# Altium PCB PCB_OBDH.PcbDoc (part 1 of 3)
Units mil, origin at the board's own origin, x right, y up, seen from the top; angles counter-clockwise.
Board outline 3627.19 x 3509.21 mil, 2 copper layers (Top Layer, Bottom Layer), stack 65.792 mil thick; 195 components, 145 nets, 736 pads, 309 vias.
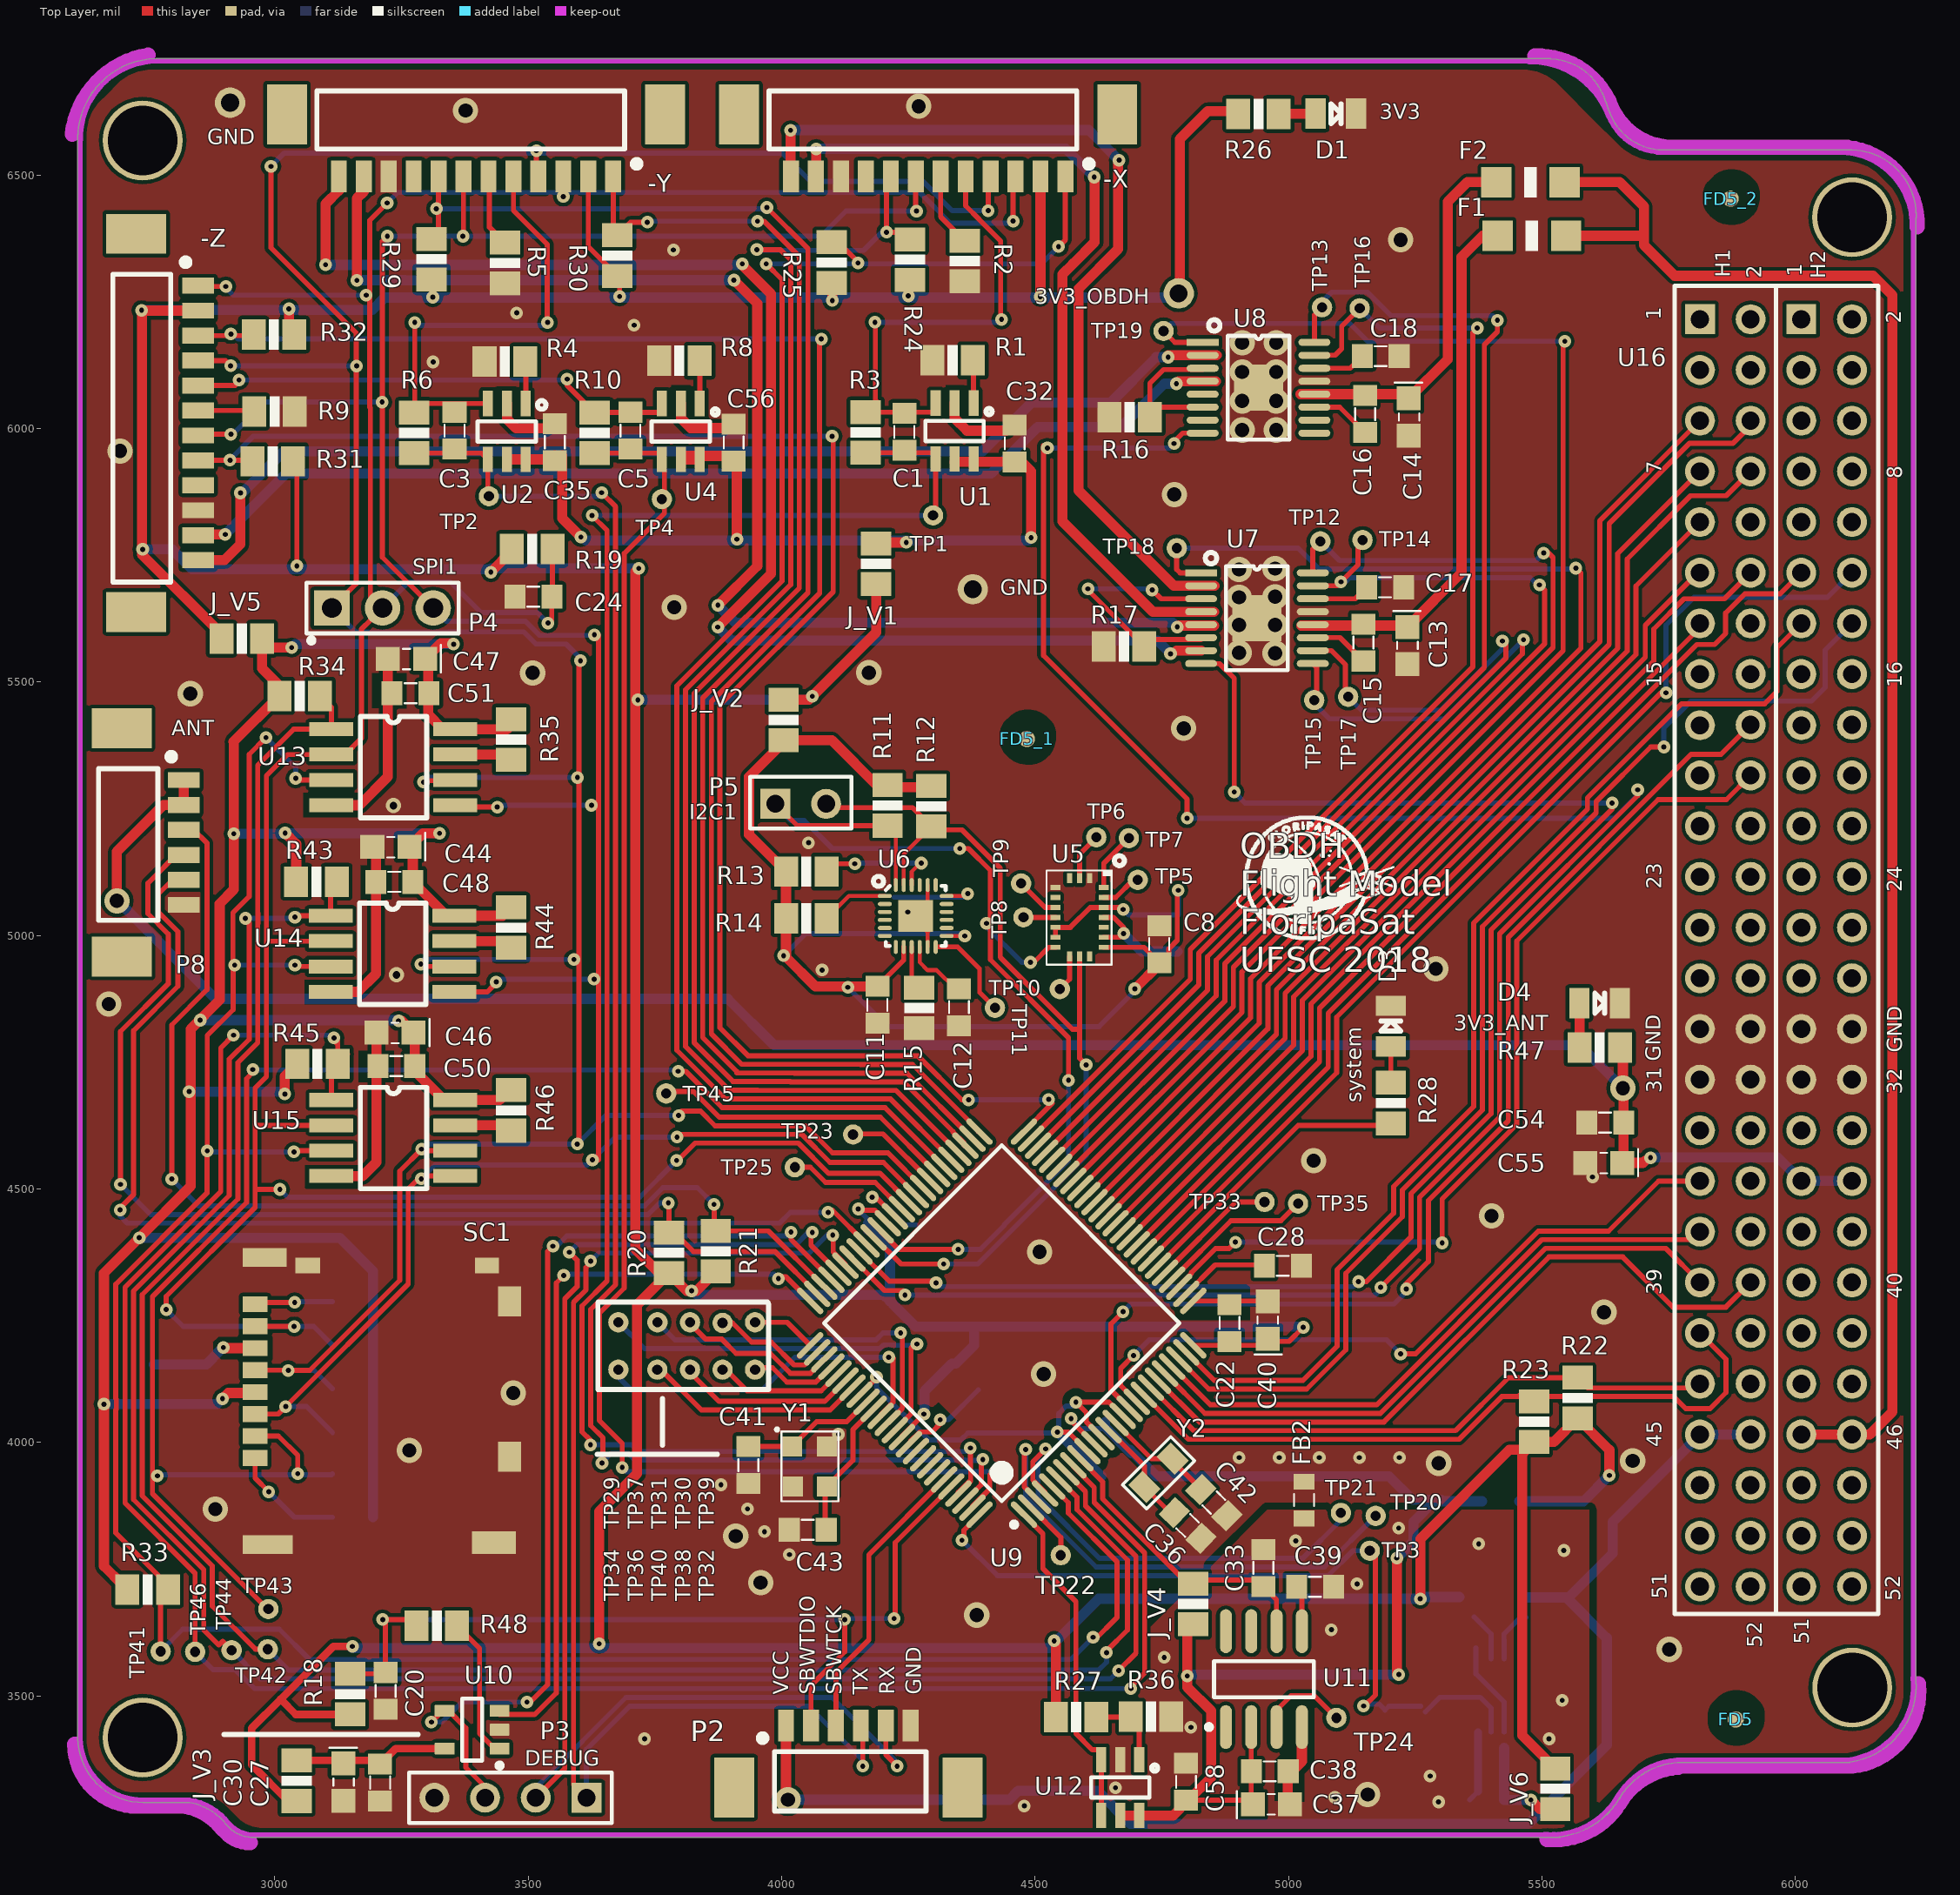
[diagram p0: Top Layer view]
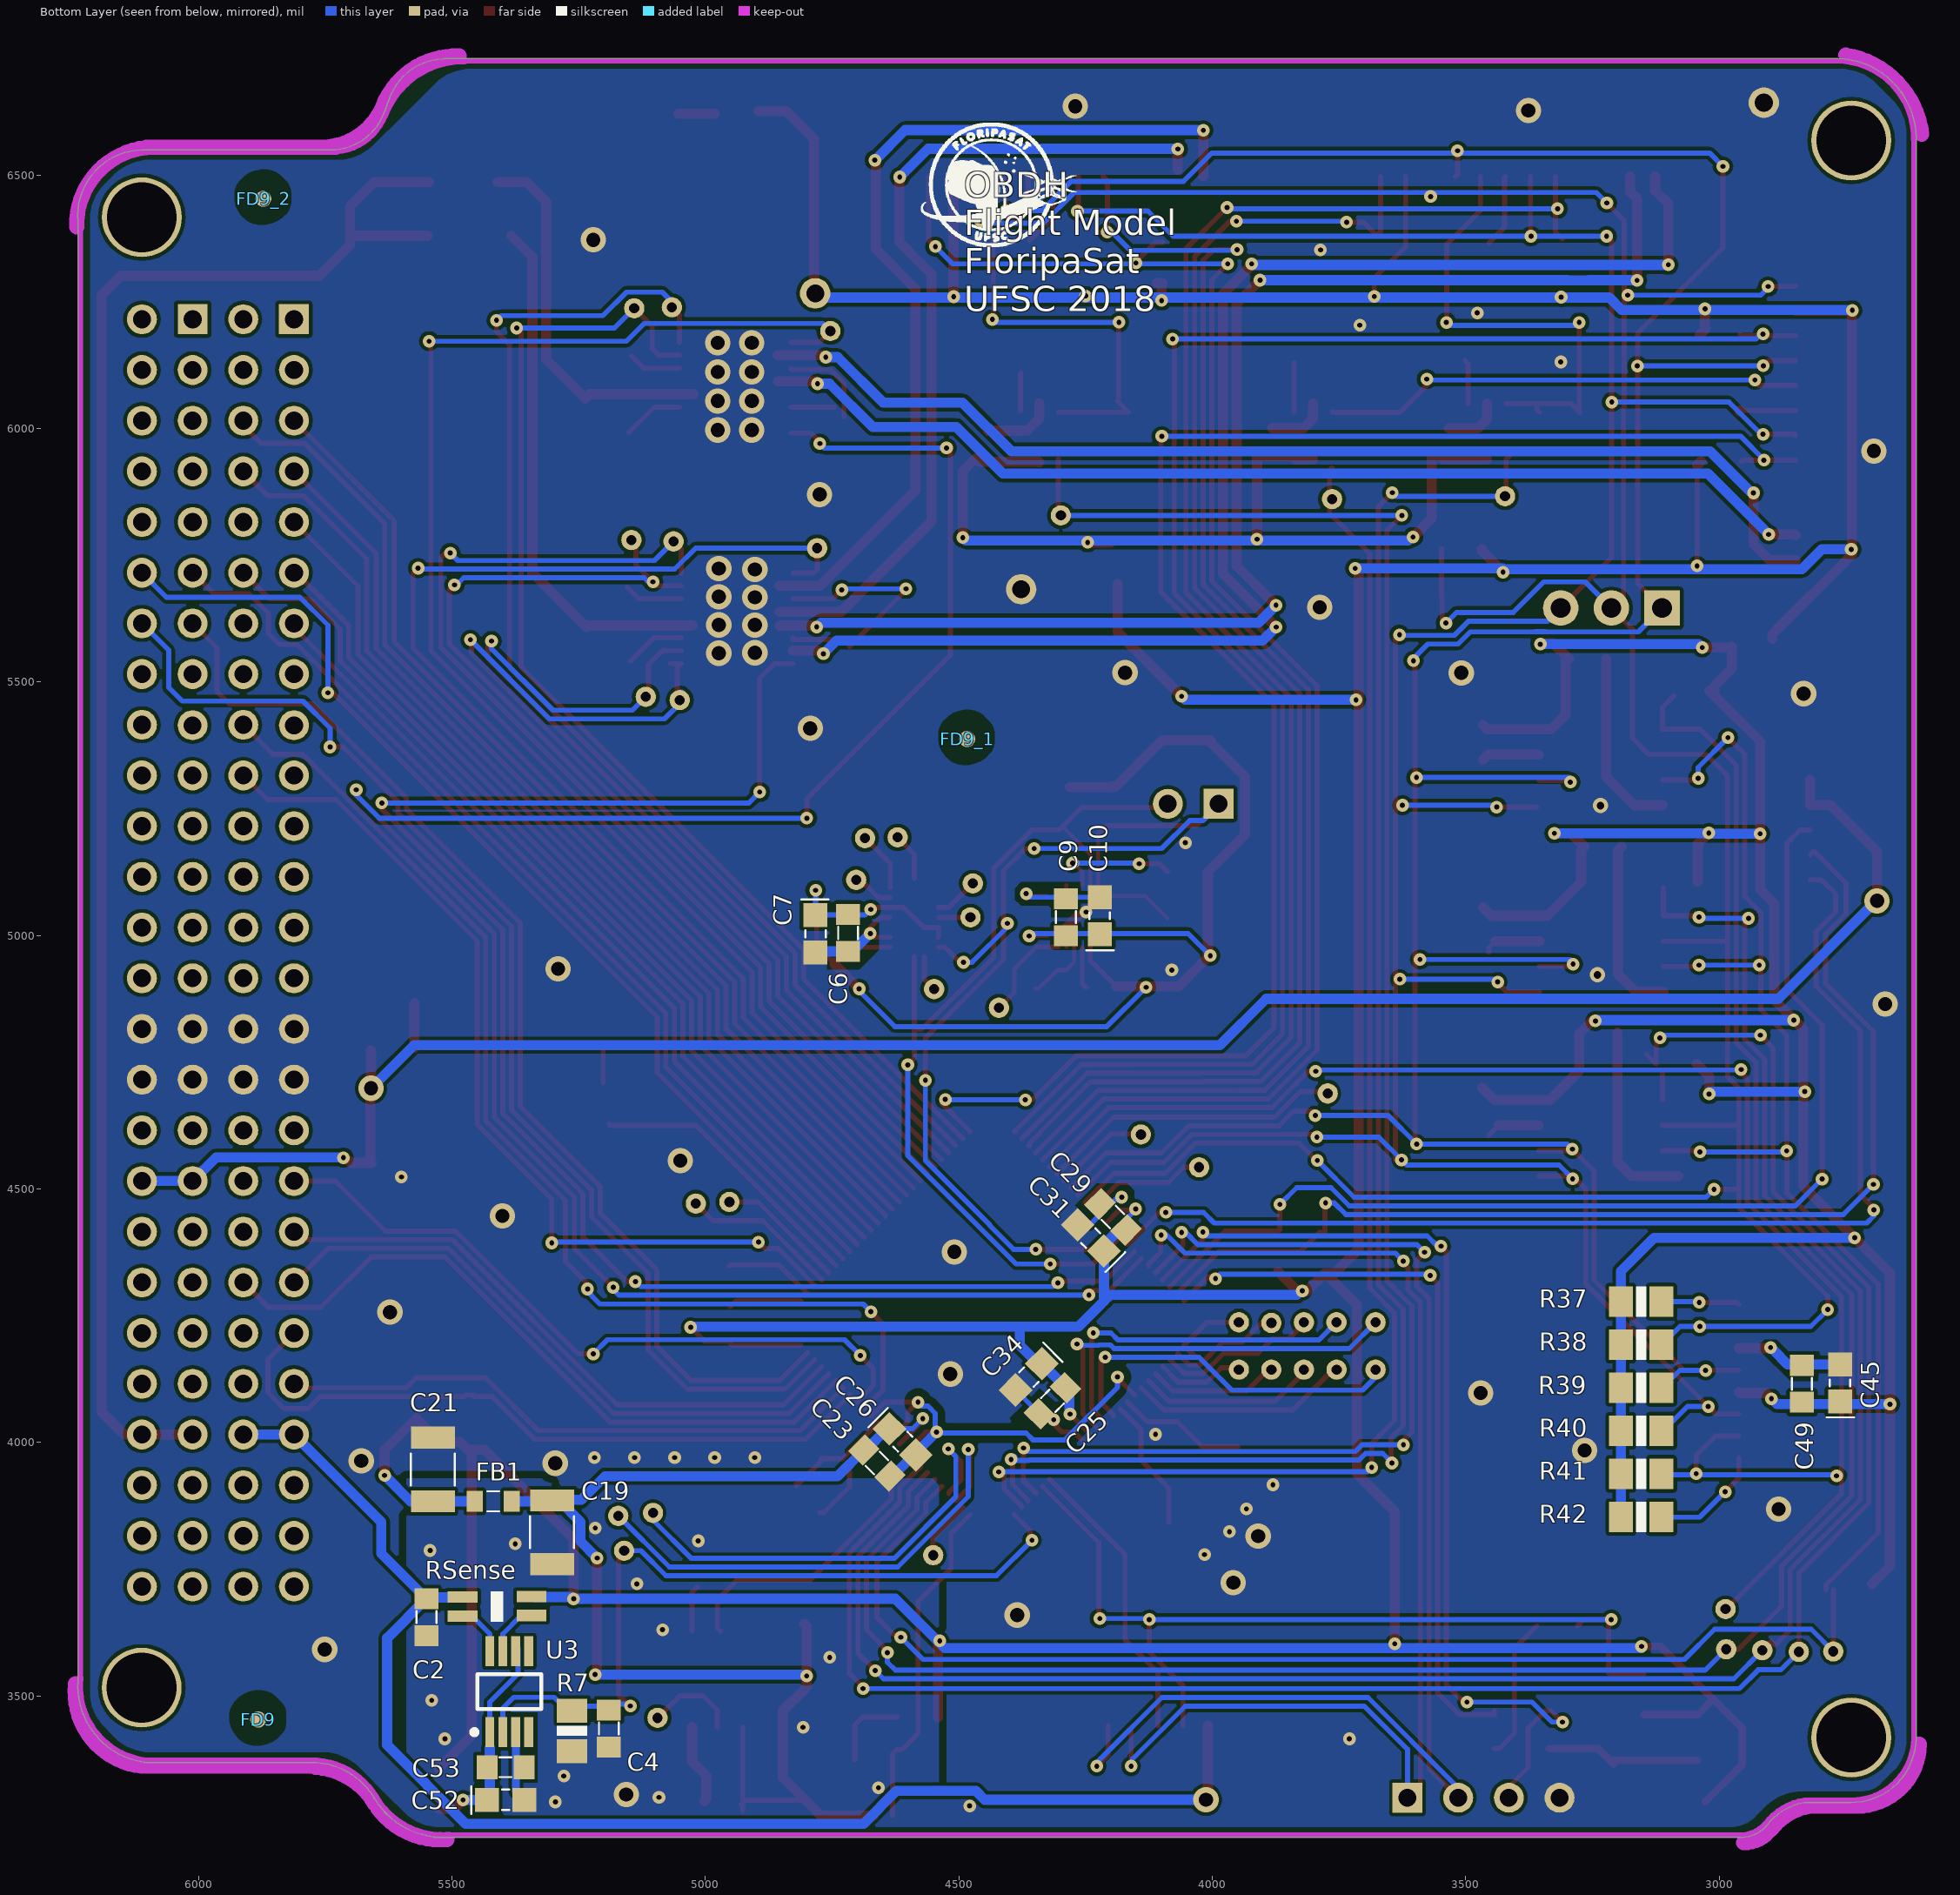
[diagram p1: Bottom Layer view, seen from below]

## Layer stack, top to bottom
Top Solder: solder mask 0.4, Solder Resist, Dk 3.5
Top Layer: signal copper 1.4
Dielectric1: core 62.9921, FR-4, Dk 4.8
Bottom Layer: signal copper 1.4
Bottom Solder: solder mask 0.4, Solder Resist, Dk 3.5

## Board outline
2831.44,3289.79 cw(c2812.42,3175.14) 2904.91,3245.51 ccw(c2908.9,3248.54) 2905.12,3245.25 ccw(c2959.02,3292.21) 2959.83,3220.73 ccw(c2959.02,3292.21) 2959.86,3220.73 2959.8,3220.73 5532.68,3220.73 ccw(c5532.68,3225.74) 5536.28,3222.25 ccw(c5517.9,3378.72) 5653.34,3298.25 ccw(c5649.03,3300.81) 5653.35,3298.26 cw(c5777.23,3224.98) 5766.72,3368.53 6105.67,3368.53 ccw(c6105.67,3373.54) 6108.5,3369.4 ccw(c6086.18,3519.83) 6238.26,3519.83 ccw(c6086.18,3519.83) 6237.57,3534.25 6237.57,6414.22 ccw(c6233.43,6417.05) 6238.44,6416.93 ccw(c6108.52,6419.9) 6238.47,6419.9 ccw(c6108.52,6419.9) 6111.49,6549.82 ccw(c6111.38,6544.8) 6111.38,6549.82 5739.03,6549.82 ccw(c5739.03,6544.8) 5738.79,6549.81 ccw(c5738.53,6544.8) 5738.55,6549.82 cw(c5739.03,6661.14) 5635.62,6619.92 ccw(c5630.97,6618.06) 5634.8,6621.29 5623.88,6649.65 ccw(c5619.2,6647.84) 5623.58,6650.28 ccw(c5618.56,6650.28) 5623.58,6650.28 ccw(c5618.56,6650.28) 5623.28,6651.99 ccw(c5512.63,6611.96) 5518.67,6729.47 ccw(c5516.57,6724.92) 5516.57,6729.94 2766.89,6729.94 ccw(c2766.89,6724.92) 2766.27,6729.9 ccw(c2765.97,6724.89) 2765.87,6729.91 ccw(c2769,6572.35) 2611.42,6573.52 ccw(c2616.3,6572.35) 2611.28,6572.35 2611.28,3416.85 ccw(c2616.3,3416.85) 2611.28,3416.81 ccw(c2739.33,3417.83) 2740.33,3289.79 ccw(c2739.33,3417.83) 2740.36,3289.79 2740.32,3289.79

## Design rules (kind name [scope] priority, off if disabled: settings)
Clearance Clearance_6 [InNet('GND') vs InNet('AGND')] p1: gap=15 ignorepadtopadclearanceinfootprint=FALSE except(0: Arc-Hole Track-Hole SMDPad-Hole THPad-Hole Via-Hole Fill-Hole Poly-Hole Region-Hole Text-Hole)
Clearance [All] p2: gap=7 ignorepadtopadclearanceinfootprint=FALSE except(0: Arc-Hole Track-Hole SMDPad-Hole THPad-Hole Via-Hole Fill-Hole Poly-Hole Region-Hole Text-Hole)
DiffPairsRouting DiffPairsRouting_1 [InDifferentialPair('XT2')] p1: maxlimit=10 minlimit=10 mostfreqgap=10 toplayer_minwidth=10 toplayer_maxwidth=10 toplayer_prefwidth=10 bottomlayer_minwidth=10 bottomlayer_maxwidth=10 bottomlayer_prefwidth=10 maxuncoupledlength=500
DiffPairsRouting [All] p2: maxlimit=10 minlimit=10 mostfreqgap=10 toplayer_minwidth=15 toplayer_maxwidth=15 toplayer_prefwidth=15 bottomlayer_minwidth=15 bottomlayer_maxwidth=15 bottomlayer_prefwidth=15 maxuncoupledlength=500
HoleSize [All] p1: absolutevalues=TRUE maxlimit=200 minlimit=1 maxpercent=80.000 minpercent=20.000
MinimumSolderMaskSliver [All] p1: minsoldermaskwidth=0
PlaneConnect [InNetClass('power')] p1: planeconnectstyle=Direct reliefexpansion=20 reliefentries=4 reliefconductorwidth=10 reliefairgap=10
PlaneConnect PlaneConnect_1 [All] p2: planeconnectstyle=Relief reliefexpansion=20 reliefentries=4 reliefconductorwidth=10 reliefairgap=10
PolygonConnect PolygonConnect_3 [InNet('GND') vs InNet('GND')] p1: connectstyle=Direct reliefconductorwidth=10 reliefentries=4 polygonreliefangle="90 Angle" airgapwidth=10
PolygonConnect PolygonConnect_2 [InNet('AGND') vs InNet('AGND')] p2: connectstyle=Direct reliefconductorwidth=10 reliefentries=4 polygonreliefangle="90 Angle" airgapwidth=10
PolygonConnect [InNetClass('power')] p3: connectstyle=Direct reliefconductorwidth=10 reliefentries=4 polygonreliefangle="90 Angle" airgapwidth=10
PolygonConnect PolygonConnect_1 [All] p4: connectstyle=Relief reliefconductorwidth=10 reliefentries=4 polygonreliefangle="90 Angle" airgapwidth=10
RoutingVias [All] p1: holewidth=10 width=20 viastyle="Through Hole" minholewidth=5 minwidth=10 maxholewidth=10 maxwidth=25
SilkToSilkClearance [All] p1: silktosilkclearance=5
SilkToSolderMaskClearance [IsPad] p1: minsilkscreentomaskgap=0 clearancetoexposedcopper=TRUE
SolderMaskExpansion [All] p1: expansion=7
Width Width_Power [InNetClass('Power')] p1: maxlimit=30 minlimit=20 preferedwidth=20
Width [All] p2: maxlimit=70 minlimit=5 preferedwidth=10
24 further rules are at their usual default settings.

## Classes and differential pairs
net class Power: MAGNETORQUER_X0 MAGNETORQUER_X1 MAGNETORQUER_Y0 MAGNETORQUER_Y1 MAGNETORQUER_Z1 NetC13_1 NetC14_1 VCC_MAGNETORQUER
component class 1_Interface: -X -Y -Z P2 P3 P4 P5 P8 U16
component class "Current Sensing": C1 C2 C3 C4 C5 C32 C35 C52 C53 C56 J_V1 J_V6 R1 R2 R3 R4 R5 R6 R7 R8 R9 R10 RSense TP1 TP2 TP3 TP4 U1 U2 U3 U4
component class IMU: C6 C7 C8 C9 C10 C11 C12 J_V2 R11 R12 R13 R14 R15 TP5 TP6 TP7 TP8 TP9 TP10 TP11 U5 U6
component class "Magnetorquer Drivers": C13 C14 C15 C16 C17 C18 F1 F2 R16 R17 TP12 TP13 TP14 TP15 TP16 TP17 TP18 TP19 U7 U8
component class MCU_OBDH: C19 C20 C21 C22 C23 C24 C25 C26 C27 C28 C29 C30 C31 C33 C34 C36 C37 C38 C39 C40 C41 C42 C43 C54 C55 C58 D1 D3 D4 FB1 FB2 J_V3 J_V4 R18 R19 R20 R21 R22 R23 R24 R25 R26 R27 R28 R29 R30 R31 R32 R36 R47 R48 TP20 TP21 TP22 TP23 TP24 TP25 TP29 TP30 TP31 TP32 TP33 TP34 TP35 TP36 TP37 TP38 TP39 TP40 TP45 U9 U10 U11 U12 Y1 Y2
component class "Non Volatile Memory": C44 C45 C46 C47 C48 C49 C50 C51 J_V5 R33 R34 R35 R37 R38 R39 R40 R41 R42 R43 R44 R45 R46 SC1 TP41 TP42 TP43 TP44 TP46 U13 U14 U15
differential pair VSENSE2: +VSENSE2_P -VSENSE2_N
differential pair XT2: +XT2_P -XT2_N

## Components (designator, comment, footprint, x,y, rotation, side; value= is the part's Value field where it differs from the comment)
-X "Header 12_PicoBlade" "HDR12 PicoBlade - duplicate" 4559.84,6497.64 r180 top
-Y "Header 12_PicoBlade" "HDR12 PicoBlade - duplicate" 3667.72,6497.64 r180 top
-Z "Header 12_PicoBlade" "HDR12 PicoBlade - duplicate" 2848.82,6281.89 r270 top
C1 "18pF/50V" CC0805 4242.13,5993.7 r270 top
C2 "0.1uF/25V" CC0805 5550.39,3655.51 r270 bottom
C3 "18pF/50V" CC0805 3354.73,5996.06 r270 top
C4 "0.1uF/25V" CC0805 5190.55,3435.83 r270 bottom
C5 "18pF/50V" CC0805 3701.57,5996.06 r270 top
C6 "DNP" CC0805 4718.5,5005.12 r270 bottom
C7 "DNP" CC0805_Tantalum 4783.46,5003.54 r270 bottom
C8 "DNP" CC0805 4745.08,4983.07 r90 top
C9 "0.1uF/25V" CC0805 4288.98,5036.22 r90 bottom
C10 "10uF/10V" CC0805_Tantalum 4222.05,5038.98 r90 bottom
C11 "0.01uF/25V" CC0805 4188.98,4863.39 r270 top
C12 "0.1uF/25V" CC0805 4350,4858.66 r270 top
C13 "DNP" CC0805_Tantalum 5234.25,5572.16 r270 top
C14 "DNP" CC0805_Tantalum 5237.4,6022.94 r270 top
C15 "DNP" CC0805 5148.03,5577.95 r270 top
C16 "DNP" CC0805 5151.18,6028.74 r270 top
C17 "DNP" CC0805 5190.55,5687.01 r0 top
C18 "DNP" CC0805 5181.89,6142.91 r0 top
C19 "22uF/16V" CC1210 5302.76,3822.83 r270 bottom
C20 "0.047uF/25V" CC0805 3218.5,3509.84 r270 top
C21 "22uF/16V" CC1210 5537.8,3946.85 r90 bottom
C22 "0.1uF/25V" CC0805 4883.86,4235.43 r90 top
C23 "0.1uF/25V" CC0805 4661.81,3959.45 r225 bottom
C24 "0.022uF/50V" CC0805 3510.24,5668.5 r180 top
C25 "0.1uF/25V" CC0805 4315.35,4082.28 r315 bottom
C26 "10uF/10V" CC0805_Tantalum 4611.02,4001.18 r225 bottom
C27 "0.1uF/25V" CC0805 3207.87,3329.13 r270 top
C28 "0.47uF/50V" CC0805 4988.98,4348.43 r180 top
C29 "0.1uF/25V" CC0805 4196.06,4444.88 r45 bottom
C30 "10uF/10V" CC0805_Tantalum 3135.43,3329.92 r270 top
C31 "10uF/10V" CC0805_Tantalum 4239.76,4403.54 r45 bottom
C32 "0.1uF/25V" CC0805 4459.84,5970.87 r90 top
C33 "0.1uF/25V" CC0805 4950.39,3752.36 r90 top
C34 "10uF/10V" CC0805_Tantalum 4362.2,4129.53 r315 bottom
C35 "0.1uF/25V" CC0805 3552.36,5973.23 r90 top
C36 "12pF/50V" CC0805 4801.02,3836.29 r136 top
C37 "10uF/10V" CC0805_Tantalum 4966.14,3285.83 r0 top
C38 "0.1uF/25V" CC0805 4962.99,3351.18 r0 top
C39 "0.01uF/25V" CC0805 5052.36,3715.35 r0 top
C40 "10uF/10V" CC0805_Tantalum 4959.45,4241.34 r90 top
C41 "10pF/100V" CC0805 3934.25,3955.51 r270 top
C42 "12pF/50V" CC0805 4852.76,3881.5 r135 top
C43 "10pF/100V" CC0805 4051.57,3827.56 r180 top
C44 "10uF/10V" CC0805_Tantalum 3229.13,5174.8 r180 top
C45 "10uF/10V" CC0805_Tantalum 2761.42,4117.32 r90 bottom
C46 "10uF/10V" CC0805_Tantalum 3237.4,4808.27 r180 top
C47 "10uF/10V" CC0805_Tantalum 3259.84,5545.67 r180 top
C48 "0.1uF/25V" CC0805 3235.83,5105.91 r180 top
C49 "0.1uF/25V" CC0805 2836.61,4115.75 r90 bottom
C50 "0.1uF/25V" CC0805 3239.76,4742.52 r180 top
C51 "0.1uF/25V" CC0805 3267.72,5477.95 r180 top
C52 "10uF/10V" CC0805_Tantalum 5394.09,3294.88 r180 bottom
C53 "0.1uF/25V" CC0805 5394.49,3359.45 r180 bottom
C54 "0.1uF/25V" CC0805 5624.8,4631.1 r180 top
C55 "10uF/10V" CC0805_Tantalum 5622.05,4551.57 r180 top
C56 "0.1uF/25V" CC0805 3905.51,5972.44 r90 top
C58 "0.1uF/25V" CC0805 4798.03,3330.71 r90 top
D1 "DNP" 0805-LED 5093.7,6621.26 r0 top
D3 "Orange" 0805-LED 5201.97,4821.65 r90 top
D4 "DNP" 0805-LED 5614.17,4866.54 r0 top
F1 "DNP" 1206 5480.31,6380.31 r0 top
F2 "DNP" 1206 5477.56,6486.22 r0 top
FB1 "30R@100Mhz, 3A" IND0805 5418.5,3883.86 r180 bottom
FB2 "30R@100Mhz, 3A" IND0805 5030.71,3886.22 r270 top
FD5 "" FEDU_0,8-TOP 5882.28,3453.54 r0 top
FD5_1 "" FEDU_0,8-TOP 4483.86,5387.8 r0 top
FD5_2 "" FEDU_0,8-TOP 5872.44,6453.54 r0 top
FD9 "" FEDU_0,8-TOP 5882.28,3453.54 r180 bottom
FD9_1 "" FEDU_0,8-TOP 4483.86,5387.8 r180 bottom
FD9_2 "" FEDU_0,8-TOP 5872.44,6453.54 r180 bottom
J_V1 "0R" 0805 4186.61,5733.46 r270 top
J_V2 "0R" 0805 4003.94,5425.2 r90 top
J_V3 "0R" 0805 3042.91,3332.68 r270 top
J_V4 "0R" 0805 4811.81,3681.5 r270 top
J_V5 "0R" 0805 2935.04,5585.83 r180 top
J_V6 "0R" 0805 5526.38,3316.93 r90 top
P2 "Header 6H_PicoBlade" "HDR6 PicoBlade" 4008.66,3441.34 r0 top
P3 "Header 4" HDR1X4 3614.96,3299.21 r180 top
P4 "Header 3H" "HDR 1X3" 3112.6,5646.06 r0 top
P5 "Header 2H" HDR1X2H 3987.8,5259.84 r0 top
P8 "Header 6H_PicoBlade" "HDR6 PicoBlade" 2820.47,5306.69 r270 top
R1 "0R" 0805 4337.4,6134.65 r180 top
R2 "0R" 0805 4361.02,6330.71 r90 top
R3 "0R" 0805 4165.75,5992.52 r90 top
R4 "0R" 0805 3453.94,6132.28 r180 top
R5 "0R" 0805 3453.94,6326.77 r90 top
R6 "0R" 0805 3274.81,5991.73 r90 top
R7 "12K" 0805 5262.99,3431.1 r90 bottom
R8 "0R" 0805 3798.23,6133.86 r180 top
R9 "0R" 0805 2999.61,6033.86 r180 top
R10 "0R" 0805 3630.71,5991.73 r90 top
R11 "10k" 0805 4209.06,5256.69 r90 top
R12 "10k" 0805 4295.67,5255.12 r90 top
R13 "0R" 0805 4048.7,5126.14 r180 top
R14 "0R" 0805 4048.7,5034.02 r180 top
R15 "0R" 0805 4271.65,4857.09 r270 top
R16 "DNP" 0805 4686.61,6022.83 r0 top
R17 "DNP" 0805 4675.59,5570.47 r0 top
R18 "47k" 0805 3148.43,3503.54 r270 top
R19 "33k" 0805 3507.87,5762.6 r180 top
R20 "10k" 0805 3777.56,4374.17 r270 top
R21 "10k" 0805 3870.08,4377.17 r270 top
R22 "10k" 0805 5570.47,4087.8 r270 top
R23 "10k" 0805 5484.65,4040.94 r270 top
R24 "10k" 0805 4253.15,6333.46 r270 top